# KiCad board jetson-nano-baseboard.kicad_pcb (continued)
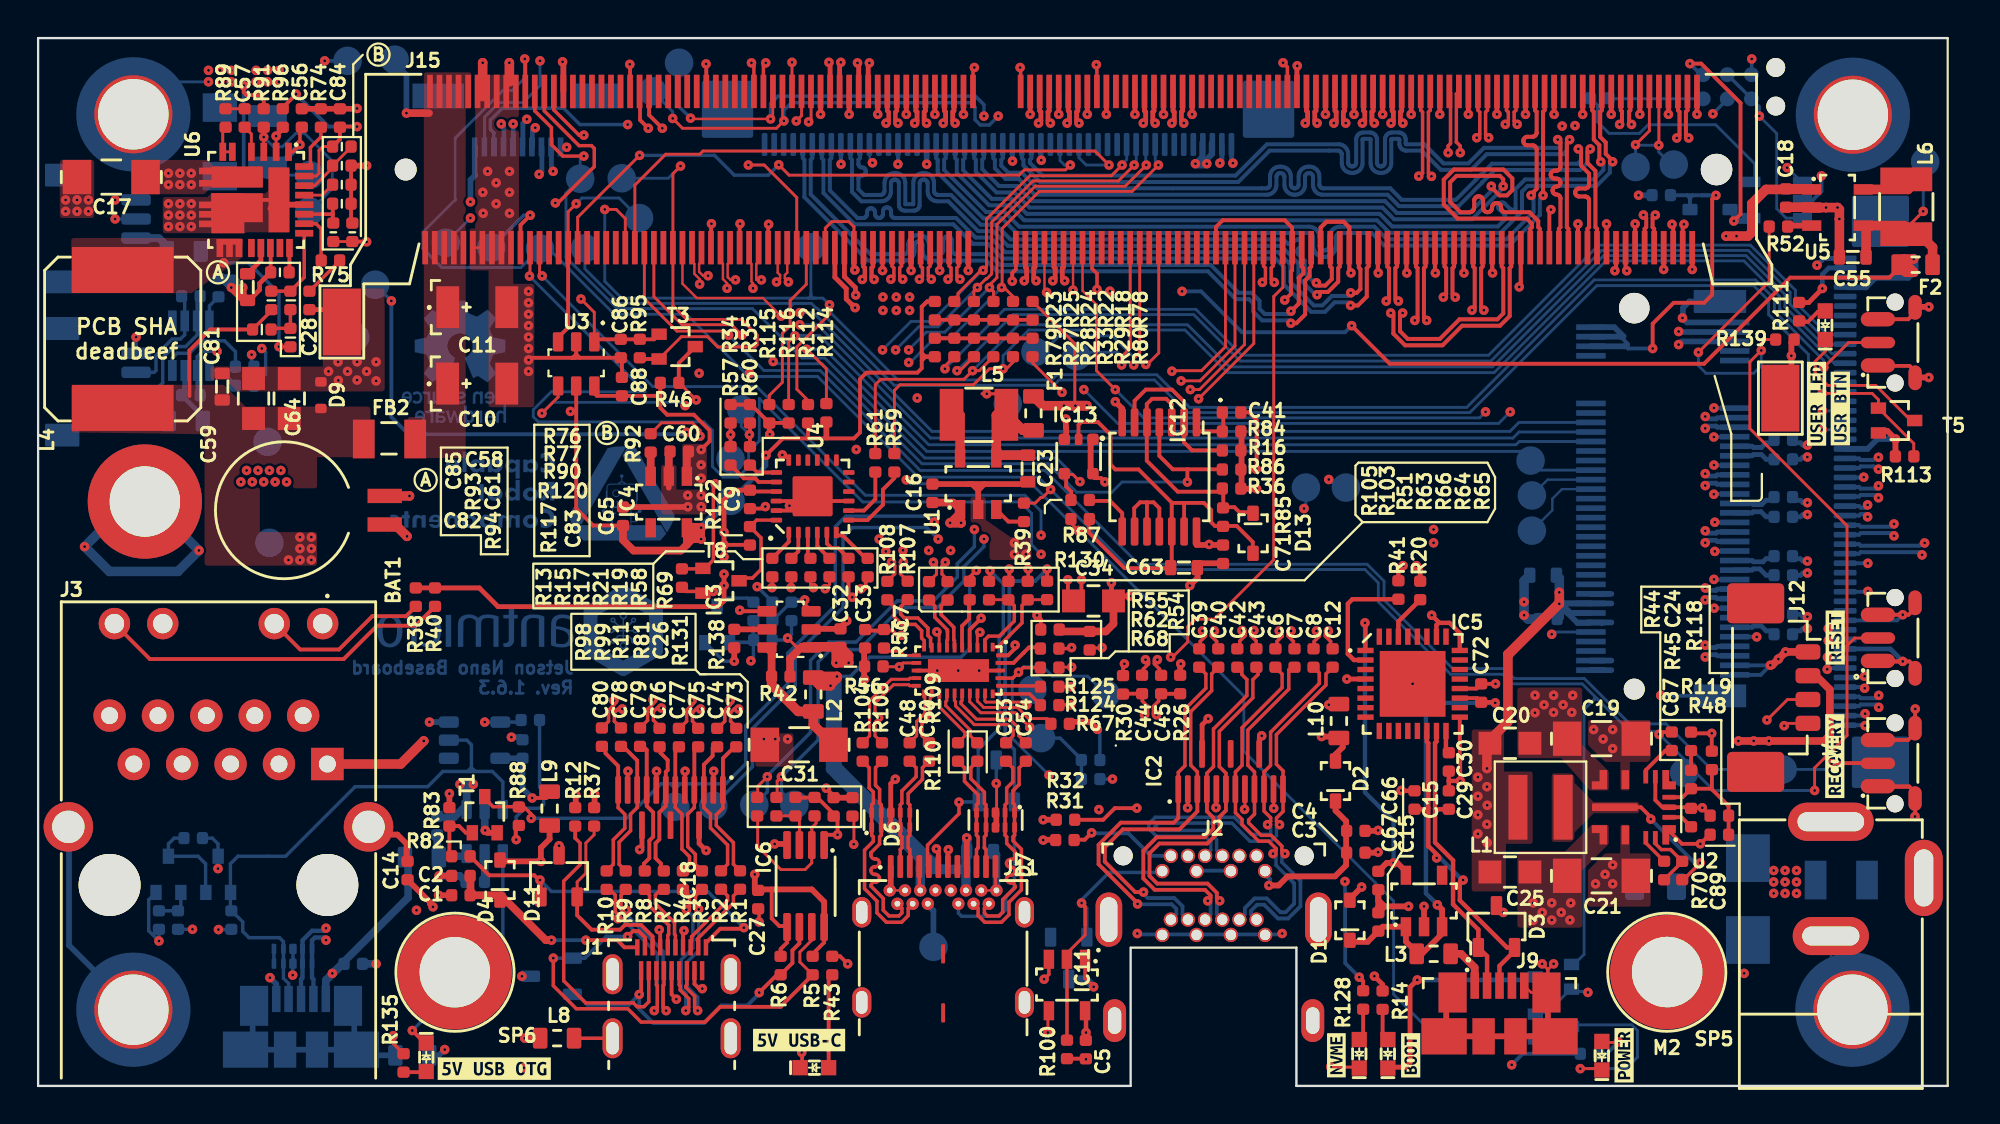
[diagram p0: board, top side]
## Routing (per net, layer and track width the routed paths; a pad name or vN(x,y) marks a point on that pad's centre or on a via; arc(x,y) is an arc through that point) (continued)
TMDS_HPD: length 66
  Top w0.15: J15.96 63.32,38.91 60.96,36.55 v1(60.47,36.55)
  Top w0.18: v1(25.88,14.05) 25.88,14.27 25.49,14.66 23.88,14.66 23.44,15.1 T1.3
  In3_SIGNAL.Cu w0.15: v1(47.04,29.61) 47.59,29.06 48.39,29.06 49.34,28.11 49.84,28.11 50.14,28.41 50.14,31.11 52.17,33.13 57.74,33.13 60.44,35.83 60.44,36.52 v1(60.47,36.55)
  Bottom w0.18: 33.44,15.51 33.44,15.81 33.49,15.86 ; 33.44,15.51 33.44,15.61 ; 33.44,15.51 TP25.1 ; v1(47.04,29.61) 46.74,29.91 42.39,29.91 41.84,29.36 41.84,25.21 39.34,22.71 39.34,21.11 37.14,18.91 37.14,16.91 36.09,15.86 33.69,15.86 ; 33.69,15.86 33.49,15.86 ; 33.69,15.86 33.44,15.61 ; 33.44,15.61 33.19,15.86 ; v1(25.88,14.05) 30.88,14.05 32.69,15.86 33.19,15.86 ; 33.49,15.86 33.19,15.86
UART1_RX: length 74.9
  Top w0.15: J15.238 25.82,42.53 v1(25.79,42.51)
  Top w0.25: R20.1 72.54,27.11 v1(72.34,27.31)
  In5_3V3_SYS_SIGNAL.Cu w0.15: v1(52.64,27.91) 53.64,27.91 54.34,27.21 56.54,27.21 56.94,26.81 71.84,26.81 v1(72.34,27.31)
  Bottom w0.15: v1(52.64,27.91) 52.14,28.41 52.14,30.06 51.55,30.65 43.29,30.65 37.85,36.08 37.85,33.86 37.29,33.3 37.29,32.51 36.74,31.96 35.95,31.96 35.39,32.51 35.39,34.41 34.95,34.86 26.26,34.86 25.99,35.12 25.99,35.49 26.93,36.43 31.86,36.43 v1(25.79,42.51)
UART1_TX: length 54.8
  Top w0.15: v1(26.45,42.52) 26.32,42.65 J15.236
  Top w0.23: v1(71.64,27.31) 71.4,27.06 R41.1
  In5_3V3_SYS_SIGNAL.Cu w0.15: v1(71.64,27.31) 71.44,27.11 57.14,27.11 56.64,27.61 54.44,27.61 53.64,28.41 53.14,28.41 v1(52.64,28.91)
  Bottom w0.15: v1(52.64,28.91) 52.64,30.16 51.79,31.01 43.41,31.01 37.71,36.71 32.26,36.71 v1(26.45,42.52)
USB1_D_N: length 67.7
  Top w0.25: v1(58.63,50.54) 58.51,50.66 58.51,51.12 58.57,51.19 J15.115 ; 47.75,11.51 47.75,12.38 v1(47.77,12.4)
  In2_SINGAL.Cu w0.16: 47.1,10.26 47.36,10.52 47.36,10.89 44.13,14.12 44.13,25.9 40.8,29.24 40.8,49.76 41.6,50.57 41.6,51.37 42.29,52.06 57.86,52.06 58.46,51.46 58.46,50.71 v1(58.63,50.54)
  In3_SIGNAL.Cu w0.2: 47.1,10.26 47.1,10.97 47.77,11.64 47.77,12.39
USB1_D_P: length 66.9
  Top w0.25: v1(58.01,50.54) 58.13,50.66 58.13,51.12 58.07,51.19 J15.117 ; v1(47.15,12.44) 47.25,12.34 47.25,11.51
  In2_SINGAL.Cu w0.16: v1(58.01,50.54) 58.18,50.71 58.18,51.34 57.74,51.77 42.41,51.77 41.88,51.25 41.88,50.45 41.08,49.64 41.08,29.36 44.42,26.02 44.42,14.23 47.64,11.01 47.64,10.52 J11.B6
  In5_3V3_SYS_SIGNAL.Cu w0.175: v1(47.15,12.44) 47.15,11.83 47.9,11.07 J11.B6
USBSS_RX6_N: length 31.3
  Top w0.16: R108.1 44.97,26.88 44.97,27.31 v1(44.79,27.49)
  Top w0.23: J15.161 45.07,51.19 45,51.11 45,50.67 v1(45.13,50.54) ; 45.07,50.57 45.13,50.51
  In2_SINGAL.Cu w0.16: v1(45.13,50.54) 44.96,50.37 44.96,49.92 44.63,49.6 43.53,49.6 43.08,49.15 43.08,43.85 42.33,43.1 42.33,29.09 42.8,28.62 arc(42.94,28.56) 43.09,28.62 43.09,28.62 arc(43.23,28.68) 43.37,28.62 arc(43.43,28.48) 43.37,28.34 43.37,28.33 arc(43.31,28.19) 43.37,28.05 arc(43.51,27.99) 43.65,28.05 43.66,28.06 arc(43.8,28.12) 43.94,28.06 arc(44,27.92) 43.94,27.77 43.93,27.77 arc(43.88,27.63) 43.93,27.49 44.5,26.92 44.78,26.92 44.96,27.1 44.96,27.32 v1(44.79,27.49)
USBSS_RX6_P: length 31.3
  Top w0.16: v1(45.42,27.49) 45.25,27.33 45.25,26.88 R107.1
  Top w0.23: v1(44.51,50.54) 44.64,50.67 44.64,51.11 44.57,51.19 J15.163 ; 44.51,50.51 44.57,50.57
  In2_SINGAL.Cu w0.16: v1(45.42,27.49) 45.25,27.32 45.25,26.98 44.9,26.64 44.38,26.64 42.05,28.97 42.05,43.22 42.8,43.97 42.8,49.27 43.42,49.88 44.52,49.88 44.68,50.04 44.68,50.37 v1(44.51,50.54)
USBSS_TX6_N: length 22.2
  Top w0.16: v1(46.99,27.49) 47.15,27.33 47.15,26.86 R105.1
  Top w0.23: J15.166 43.82,43.01 43.75,42.94 43.75,42.47 v1(43.88,42.33)
  In2_SINGAL.Cu w0.16: v1(43.88,42.33) 43.71,42.16 43.71,31.26 44.62,30.35 arc(44.77,30.29) 44.92,30.35 arc(45.07,30.41) 45.23,30.35 45.24,30.33 arc(45.3,30.18) 45.24,30.03 arc(45.18,29.88) 45.24,29.73 45.25,29.71 arc(45.41,29.65) 45.56,29.71 arc(45.71,29.78) 45.86,29.71 45.88,29.7 arc(45.94,29.55) 45.88,29.39 arc(45.81,29.24) 45.88,29.09 46.28,28.69 46.28,26.91 46.44,26.75 46.94,26.75 47.16,26.97 47.16,27.32 v1(46.99,27.49)
USBSS_TX6_P: length 22.1
  Top w0.16: 47.83,26.48 47.44,26.86 47.44,27.31 v1(47.62,27.49)
  Top w0.23: v1(43.26,42.33) 43.39,42.47 43.39,42.94 43.32,43.01 J15.168
  In2_SINGAL.Cu w0.16: v1(43.26,42.33) 43.43,42.16 43.43,31.14 45.99,28.57 45.99,26.79 46.32,26.46 47.05,26.46 47.45,26.85 47.45,27.32 v1(47.62,27.49)
USR_BUTTON: length 91.3
  Top w0.15: v1(93.72,37.72) 95.02,39.02 96.27,39.02 ; J15.218 30.82,45.53 30.34,46.01 v1(29.74,46.01) ; 40.41,35.98 39.82,36.56 39.82,38.79 41.54,40.5 v1(41.54,41)
  Bottom w0.15: 40.56,41.47 40.56,41.59 ; 40.56,41.47 40.45,41.35 40.4,41.35 ; 40.56,41.47 40.68,41.35 40.8,41.35 ; 40.56,41.59 40.56,41.39 40.6,41.35 ; 40.56,41.59 40.56,44 ; 40.8,41.35 41.18,41.35 v1(41.54,41) 41.54,40.65 45.13,37.05 53.2,37.05 53.47,37.33 58.72,37.33 60.43,35.62 61.03,35.62 74.99,35.62 81.67,42.31 90.14,42.31 91.13,41.32 91.13,40.66 93.72,38.07 v1(93.72,37.72) ; 40.8,41.35 40.6,41.35 ; 40.6,41.35 40.4,41.35 ; 40.4,41.35 30.62,41.35 29.74,42.23 v1(29.74,46.01)
USR_LED: length 91.9
  Top w0.125: v1(38.99,40.41) 38.04,41.36 34.57,41.36 33.82,42.11 J15.206
  Top w0.15: v1(93.65,36.35) 96.26,36.35 96.59,36.02 T5.1 98.45,33.72 98.45,33.05
  Bottom w0.15: 40.31,41.08 39.66,41.08 v1(38.99,40.41) ; 40.31,41.08 40.59,41.08 40.83,40.83 40.88,40.83 44.93,36.78 53.31,36.78 53.59,37.05 58.59,37.05 60.3,35.34 75.14,35.34 81.81,42.01 90.04,42.01 90.83,41.22 90.83,40.49 92.92,38.4 92.92,37.08 v1(93.65,36.35) ; 40.31,41.08 30.51,41.08 28.7,42.88 TP35.1
VSYNC_CAM1_1: length 31.4
  Top w0.15: v1(54.18,48.34) 53.92,48.08 51.77,48.08 51.49,47.81 39.42,47.81 v1(38.87,48.35) ; J15.228 28.32,45.59 v1(31.57,48.84)
  Bottom w0.15: v1(54.18,48.34) 53.87,48.34 53.63,48.57 53.63,49.42
  Bottom w0.18: v1(31.57,48.84) 35.5,48.84 36.54,47.81 38.33,47.81 v1(38.87,48.35)
VSYNC_CAM1_2: length 31.7
  Top w0.15: v1(56.21,48.34) 55.47,49.07 34.9,49.07 34.73,48.91 32.94,48.91 31.32,47.28 J15.216
  Bottom w0.15: 54.63,49.42 54.63,48.72 54.63,48.72 55.01,48.34 v1(56.21,48.34)
VSYNC_CAM2_1: length 52.9
  Top w0.15: J15.114 58.82,38.48 58.19,37.85 58.16,37.87 v1(58.14,37.87)
  In2_SINGAL.Cu w0.125: 55.57,37.54 55.57,37.55 56.41,38.39 57.62,38.39 v1(58.14,37.87)
  In2_SINGAL.Cu w0.15: v1(93.65,34.44) 91.87,36.22 78.1,36.22 v1(77.26,35.38) ; v1(54.89,36.55) 54.89,36.86 55.57,37.54
  Bottom w0.15: v1(54.89,36.55) 56.66,34.77 76.65,34.77 v1(77.26,35.38) ; J7.19 94.84,34.44 v1(93.65,34.44)
VSYNC_CAM2_2: length 48.2
  Top w0.125: J15.130 54.82,41.74 55.55,41.01
  Top w0.15: v1(56.54,36.55) 55.55,37.54 55.55,41.01
  In2_SINGAL.Cu w0.15: v1(75.97,35.38) 77.14,36.55 92.53,36.55 v1(93.65,35.43)
  Bottom w0.15: J7.17 94.84,35.43 v1(93.65,35.43) ; v1(56.54,36.55) 56.54,36.55 58.02,35.07 75.65,35.07 v1(75.97,35.38)
~{OTG_USB_ID_DET}: length 52.2
  Top w0.18: v1(55.58,41.81) 55.58,42.64 55.32,42.9 J15.128
  In5_3V3_SYS_SIGNAL.Cu w0.125: v1(23.44,19.1) 26.73,19.1 33.14,25.51 33.14,36.31 33.64,36.81 39.74,36.81 43.2,40.27 54.2,40.27 55.58,41.64 v1(55.58,41.81)
  Bottom w0.18: v1(23.44,19.1) 23.44,19.1 U8.4 25.24,19.1 R133.2
~{OTG_USB_VBUS_DET}: length 85.5
  Top w0.18: v1(65.34,53.71) 65.57,53.48 65.57,52.2
  In2_SINGAL.Cu w0.125: v1(65.34,53.71) 65.04,53.71 60.14,48.81 60.14,46.37 56.25,42.48 v1(56.25,41.72)
  In5_3V3_SYS_SIGNAL.Cu w0.125: v1(9.44,11.41) 12.04,11.41 16.54,15.91 20.64,15.91 22.24,17.51 25.54,17.51 33.44,25.41 33.44,36.21 33.74,36.51 39.84,36.51 43.34,40.01 54.64,40.01 56.24,41.61 56.24,41.71
  Bottom w0.18: R129.1 9.14,13.01 9.44,12.71 v1(9.44,11.41)
Net-(BOOT1-Pad1): length 1.7
  Top w0.2: R14.2 70.57,2.71 70.84,2.43
Net-(C24-Pad2): length 1
  Top w0.2: 86.76,17.6 R45.1
Net-(C28-Pad1): length 2.3
  Top w0.18: 14.24,41.72 15.83,43.3 R75.2
Net-(C57-Pad1): length 1
  Top w0.15: C57.1 R89.1
Net-(F4-Pad2): length 2
  Bottom w0.4: 5.14,35.46 6.44,35.46 6.85,35.05 6.85,34.91
Net-(F5-Pad2): length 2.1
  Bottom w0.4: F5.2 6.75,44.1 6.34,44.51 J14.2
Net-(IC1-ILIM): length 1.4
  Bottom w0.4: R50.1 23.44,10.72 23.44,12.06
Net-(IC1-OUT): length 2.8
  Bottom w0.4: 22.49,12.06 20.92,12.06 20.87,12.01 20.94,12.08 20.94,13.12
Net-(IC3-ILIM): length 1.6
  Top w0.3: R138.1 38.12,23.97
Net-(IC3-OUT): length 7.1
  Top w0.4: 38.2,23.05 38.5,22.75 R42.2
  Top w0.5: C31.1 40.69,18.96 L2.1 39.89,19.66 38.5,21.05 R42.2
Net-(IC3-~{EN}): length 6.4
  Top w0.18: v1(40.24,25.51) 40.24,25.29 40.58,24.95
  Bottom w0.18: 35.64,25.19 36.06,25.61 37.24,25.61 37.46,25.39 R49.2 37.57,25.39 R137.1 39.63,25.51 v1(40.24,25.51)
Net-(IC3-~{FAULT}): length 27.8
  Top w0.2: 40.1,0.91 40.1,1.59 40.08,1.62 v1(40.08,1.75) ; 38.12,24.92 36.88,24.92 v1(36.83,24.97)
  In2_SINGAL.Cu w0.2: v1(36.83,24.97) 36.83,24.42 38.78,22.46 38.78,20.12 37.44,18.78 37.44,12.57 40.08,9.93 v1(40.08,1.75)
Net-(IC4-EN): length 1.3
  Top w0.406: R92.2 32.15,32
Net-(IC5-3V3OUT): length 1.2
  Top w0.23: 73.89,18.63 73.89,17.64 C30.1
Net-(IC5-RXD): length 6.4
  Top w0.23: 69.67,22.36 69.06,22.36 68.74,22.68 68.74,25.31 68.98,25.55 R41.2
Net-(IC5-TXD): length 2.4
  Top w0.23: IC5.30 71.39,24.37 R20.2
Net-(IC6-SCLA): length 7.7
  Top w0.15: 37.77,14.18 37.77,12.57 38.99,11.35 40.26,11.35 40.61,11.7 40.61,12.64 40.61,12.65 40.61,13.56 40.83,13.79 40.83,14.18
Net-(IC6-SDAA): length 2.6
  Top w0.15: IC6.3 39.96,14.03 39.81,14.18 38.79,14.18
Net-(IC7-CURRENT_MODE): length 8.3
  Top w0.15: 55.27,22.98 55.82,22.98 v1(55.84,23.01) ; v1(49.43,23.81) 49.29,23.68 49.29,23
  In2_SINGAL.Cu w0.18: v1(55.84,23.01) 54.92,23.93 49.54,23.93 v1(49.43,23.81) 49.44,23.81
Net-(IC7-DIR): length 1.7
  Top w0.15: 46.09,22.6 45.45,22.6 45.23,22.82 44.56,22.82 44.47,22.9
Net-(IC7-ENn_CC): length 2.4
  Top w0.2: IC7.29 51.19,22.2 51.73,22.74 51.73,22.74 52.01,23.02 52.61,23.02
Net-(IC7-PORT): length 5.7
  Top w0.2: v1(52.43,24.7) 52.63,24.5 52.63,23.81 ; v1(49.5,24.55) 48.89,23.95 48.89,23
  In2_SINGAL.Cu w0.2: 52.36,24.63 v1(52.43,24.7) ; 52.34,24.62 49.56,24.62 v1(49.5,24.55)
Net-(IC7-VBUS_DET): length 2.7
  Top w0.2: 48.49,23 48.49,24.14 48.86,24.5 48.86,25.48 48.89,25.52
Net-(IC12-1B): length 8.6
  Top w0.2: IC12.6 57.55,35.96 58.14,36.55 59.51,36.55 60.15,35.91 IC12.2 60.15,33.78 60.56,33.36 62.2,33.36
Net-(IC12-3A): length 5.5
  Top w0.2: 58.85,29.13 58.85,30.33 58.54,30.63 58.19,30.63 ; 57.55,29.13 57.53,29.15 57.53,30.33 57.83,30.63 58.19,30.63 ; 58.2,29.13 58.2,30.62 58.19,30.63
Net-(IC12-~{3Y}): length 2.9
  Top w0.2: 56.9,29.13 56.9,30.07 56.26,30.71 55.16,30.71
Net-(J1-+5V): length 10.9
  Top w0.2: J1.19 30.77,7.28 30.4,7.65 v1(28.75,7.65)
  Top w0.4: 22.69,10.01 22.69,11.02 ; v1(26.94,7.65) 26.64,7.65 24.29,10.01 22.68,10.01
  Bottom w0.2: v1(28.75,7.65) v1(26.94,7.65)
Net-(J1-GND): length 16
  Top w0.15: 28.19,13 28.19,13.64
  Top w0.18: 28.19,13 28.45,12.75 28.45,11.61 27.59,10.75 27.59,5.51 28.74,4.36 31.24,4.36 31.44,4.16 31.79,4.16 32.05,4.41 32.05,6.05
  Top w0.2: 28.19,13 R12.1
Net-(J2-DP_PWR): length 9
  Top w0.3: v1(64.6,10.52) 65.11,10.52 65.58,11 68.07,11 68.65,11.58 68.65,13.89 68.09,14.45 68.09,14.95
  Bottom w0.22: v1(64.6,10.52) 64.65,10.58 64.65,10.84 64.4,11.09 64.4,11.3
Net-(J3-Pad12): length 8.9
  Top w0.2: J3.12 13.76,22.91 15.79,22.91 17.54,24.66 19.31,24.66 R38.2
Net-(J3-Pad14): length 18.7
  Top w0.2: J3.14 5.87,22.41 16.04,22.41 17.79,24.16 19.82,24.16 R40.2
Net-(J5-SHIELD): length 13.4
  Bottom w0.3: 16.71,1.9 10.89,1.9 11.26,2.27 11.26,4.2 ; 16.71,1.9 16.59,2.02 16.59,4.2 ; 16.71,1.9 17.01,1.61 18.83,1.61 ; 16.71,1.9 17.09,1.52
Net-(J8-LED): length 35.8
  Top w0.15: v1(67.84,1.01) 67.86,0.99 68.94,0.99
  In3_SIGNAL.Cu w0.15: v1(79.44,23.71) 71.34,23.71 69.74,22.11 69.74,11.51 70.19,11.06 70.19,9.26 68.04,7.11 68.04,1.21 v1(67.84,1.01)
  Bottom w0.15: v1(79.44,23.71) 79.56,23.82 81.5,23.82
Net-(J8-SMB_CLK): length 4.4
  Bottom w0.125: 81.5,31.32 79.98,31.32 79.48,30.82 79.48,30.22 TP20.1
Net-(J8-SMB_DATA): length 3.4
  Bottom w0.125: TP7.1 79.23,31.82 81.5,31.82
Net-(J11-SBU2): length 2.3
  Bottom w0.3: 46.69,9.5 46.99,9.2 TP19.1
Net-(LED1-Pad1): length 5
  Top w0.2: R43.2 41.49,5.64 LED1.1
Net-(LED2-Pad1): length 1.2
  Top w0.2: R135.2 20.34,0.72
Net-(M1B-(CSI1_CLK)RSVD-Pad11): length 9.8
  Top w0.15: 84.57,52.2 84.57,50.13 v1(83.84,49.4) ; v1(85.06,49.38) 85.07,49.38 85.07,52.2
  Bottom w0.15: TP4.1 v1(83.84,49.4) 83.87,49.38 v1(85.06,49.38) 85.06,49.02 85.85,48.24
Net-(M1B-CAM1_PWDN): length 9.3
  Top w0.15: v1(56.87,37.85) 56.87,38.28 57.32,38.73 J15.120
  Bottom w0.15: TP6.1 54.71,38.51 56.64,38.51 56.87,38.28 v1(56.87,37.85)
Net-(M1B-GPIO01): length 12.6
  Top w0.15: v1(57.5,37.85) 57.5,38.18 57.82,38.49 J15.118
  Bottom w0.15: v1(57.5,37.85) 57.5,38.25 56.39,39.37 53.59,39.37 52.53,38.3
Net-(NVME1-Pad1): length 1.7
  Top w0.2: R128.2 69.55,2.64 69.34,2.43
Net-(PWR1-Pad1): length 2.2
  Top w0.15: 82.07,2.28 82.92,2.28 v1(82.94,2.31)
  Bottom w0.2: R97.2 82.32,1.69 v1(82.94,2.31)
Net-(R18-Pad1): length 5.1
  Top w0.2: 52.19,40.21 47.06,40.21
Net-(R27-Pad1): length 5.1
  Top w0.2: 52.19,39.24 47.06,39.24
Net-(R111-Pad2): length 1.6
  Top w0.2: 92.43,40.16 92.48,40.11 92.89,40.11 93.41,40.63 93.8,40.63
Net-(R132-Pad1): length 5
  Bottom w0.15: 82.45,51.84 82.47,51.82 87.38,51.82 87.39,51.81
Net-(T1-G): length 3
  Top w0.15: R83.1 21.59,13.64
  Top w0.2: R83.1 21.59,12.18 R82.1 ; 21.59,13.64 22.1,13.64 22.45,13.29 T1.1
Net-(T2-D): length 11.5
  Top w0.25: 71.18,0.99 71.77,0.99 72.01,1.22 72.01,5.18 v1(72.39,5.56)
  Bottom w0.25: v1(72.39,5.56) 78.43,5.56
Net-(T4-D): length 9.4
  Top w0.15: 82.07,0.88 82.05,0.91 v1(80.94,0.91)
  Top w0.25: 82.04,0.91 82.07,0.88
  Bottom w0.15: 80.49,3.21 83.64,3.21 83.94,2.91 83.94,1.51 83.34,0.91 v1(80.94,0.91)
Net-(T5-D): length 8.3
  Top w0.15: 98.58,35.03 98.19,35.03 96.45,36.77 93.93,36.77 93.27,37.43 93.27,38.02 93.8,38.56 93.8,39.23
Net-(T6-D): length 5.2
  Bottom w0.18: R129.2 7.14,13.01 6.84,12.71 T6.3 8.39,12.06 8.79,11.66 8.79,10.16
Net-(T6-G): length 2
  Bottom w0.18: R73.1 R72.1 7.49,9.34 T6.1
Net-(T8-D): length 5.4
  Top w0.18: 38.6,29.7 37.71,29.7 37.36,29.35 37.94,28.77 37.94,27.11 37.49,26.66 36.64,26.66
Net-(U1-EN): length 1.7
  Top w0.2: R39.2 50.93,29.62 50.29,30.26
Net-(U1-FB): length 9.7
  Top w0.15: 50.59,35.51 50.59,35.96 50.22,36.33 49.54,36.33
  Top w0.5: F1.1 51.68,34.42 50.59,35.51 50.29,35.21 50.29,32.96 50.44,33.11 C23.1
  Bottom w0.15: TP5.1 50.37,36.33 49.54,36.33
  vias: v1(49.79,36.33)
Net-(U1-SW): length 2.7
  Top w0.5: 48.39,32.96 48.39,35.21 48.09,35.51
Net-(U2-RBOOT): length 1.6
  Top w0.18: 84.38,13.03 84.38,12.75 R70.1
Net-(U4-SC0): length 1.4
  Top w0.2: 39.9,28.9 39.9,28.06 R15.1
Net-(U4-SC1): length 1.5
  Top w0.2: R21.1 40.9,28.33 40.9,28.9
Net-(U4-SC2): length 2
  Top w0.2: 43.44,27.69 42.23,28.9 41.9,28.9
Net-(U4-SC3): length 2.9
  Top w0.2: 42.7,30.2 43.35,30.2 43.94,30.79 R61.1
Net-(U4-SCL): length 1.4
  Top w0.2: 38.6,32.2 37.75,32.2 R60.2
Net-(U4-SD0): length 1.6
  Top w0.2: R13.1 39.4,28.56 39.4,28.9
Net-(U4-SD1): length 1.3
  Top w0.2: R17.1 40.4,27.83 40.4,28.9
Net-(U4-SD2): length 1.9
  Top w0.2: 41.4,28.9 41.4,28.47 41.64,28.23 42,28.23 R19.1
Net-(U4-SD3): length 3.9
  Top w0.2: R59.1 44.94,31.91 44.34,31.31 44.34,30.51 43.54,29.7 42.7,29.7
Net-(U4-SDA): length 2.6
  Top w0.2: 38.6,31.7 37.82,31.7 37.63,31.89 37.04,31.89 R57.2
Net-(U5-EN): length 1.3
  Top w0.3: 91.83,45.11 91.88,45.16 93.09,45.16
Net-(U5-FB): length 10.8
  Top w0.15: 98.34,44.76 98.34,45.31 v1(98.94,45.91)
  Top w0.5: C55.1 95.94,45.01 95.79,45.16 97.94,45.16 98.34,44.76 98.69,44.76 99.43,44.02 F2.1
  Bottom w0.15: TP8.1 98.94,48.41 v1(98.94,45.91)
Net-(U5-SW): length 2.6
  Top w0.5: 95.79,47.06 98.14,47.06 98.34,47.26
Net-(U6-V_{SNS}): length 4.3
  Top w0.18: 13.97,44.76 13.97,42.44 13.24,41.72 R93.1
Net-(U7-RH): length 1.5
  Bottom w0.18: U7.8 8.99,40.94 R121.1
Net-(U7-RXD): length 5.4
  Bottom w0.18: 7.04,37.55 7.04,38.21 7.29,38.46 7.94,38.46 8.59,39.11 9.79,39.11 10.36,38.54 R101.2
Net-(U7-TXD): length 1.7
  Bottom w0.18: 8.99,37.55 9.59,37.55 10.36,36.79 R71.2
unconnected-(D8-Pad5): length 0.8
  Bottom w0.18: 12.38,7.19 12.38,6.42

## Copper pours and planes (outline as drawn; the poured copper is in the pictures)
3V3_SYS on Top: 76.94,16.51 78.44,16.51 78.44,12.71 77.04,12.71 77.04,10.21 75.24,10.21 75.24,18.71 76.94,18.71
3V3_SYS on Bottom: 84.5,38.78 84.5,21.61 82.44,21.61 82.5,39.98 83,39.98
3V3_SYS on Bottom: 77.04,12.36 75.24,12.36 75.24,18.26 77.04,18.26
3V3_SYS on Bottom: 14.74,36.31 18.14,36.31 18.14,28.41 35.14,28.41 35.14,29.41 36.34,29.41 36.34,25.91 33.54,25.91 32.84,26.61 14.94,26.61 14.94,29.91 14.14,30.71 14.14,35.11 10.14,35.11 9.34,34.31 8.14,34.31 8.14,35.51 9.14,35.51 9.74,36.11 12.64,36.11 12.64,43.01 8.14,43.01 8.14,44.51 14.74,44.51
3V3_SYS on In5_3V3_SYS_SIGNAL.Cu: 76.74,12.31 76.74,20.01 73.54,23.21 59.24,23.21 56.84,25.6 41.7,25.6 39.34,27.94 39.34,34.24 38.8,34.78 35.64,34.78 35.34,34.51 35.34,24.01 38.79,20.56 38.81,13.78 39.79,12.78 42.06,12.78 43.1,13.79 43.1,14.86 45.11,16.87 69.94,16.91 74.54,12.31
5V0_SYS on Top: 10.89,35.66 17.44,35.66 17.44,33.01 14.64,33.01 14.64,27.31 8.74,27.31 8.74,34.21 1.74,34.31 1.74,36.81 9.74,36.81
5V0_SYS on Top: 35.1,31.5 33.8,31.5 33.8,33.7 35.1,33.7
5V0_SYS on Bottom: 10.95,27.27 14.64,27.27 14.64,29.73 10.95,29.73
5V0_SYS on In1_5V0_SYS_VIN.Cu: 63.46,50.4 88.84,50.31 88.84,46.21 90.67,44.41 90.67,43.59 90.68,43.55 90.69,43.51 90.72,43.48 90.75,43.46 90.79,43.44 90.83,43.44 93.89,43.44 94.03,43.3 94.03,41.62 93.89,41.48 90.83,41.48 90.79,41.47 90.75,41.46 90.72,41.43 90.69,41.4 90.68,41.36 90.67,41.33 90.68,41.31 90.68,19.84 90.68,19.8 90.7,19.76 90.72,19.73 91.29,19.17 91.29,17.57 89.09,15.38 89.07,15.35 89.05,15.31 89.05,15.27 89.05,0.51 66.66,0.51 66.66,7.4 66.65,7.49 66.62,7.59 66.57,7.68 66.51,7.76 66.43,7.82 66.34,7.87 66.25,7.9 66.15,7.91 64.79,7.91 64.79,7.9 58.59,7.9 58.59,7.91 57.26,7.91 57.16,7.9 57.06,7.87 56.97,7.82 56.9,7.76 56.83,7.68 56.79,7.59 56.76,7.49 56.75,7.4 56.75,0.51 0.51,0.51 0.51,45.91 8.54,45.91 8.54,31.11 14.94,31.11 14.94,50.4
/Supply/3V3_SW on Top: 80.64,15.91 81.64,14.91 84.04,14.91 84.04,14.31 81.64,14.31 80.64,13.31 80.64,12.81 79.44,12.81 79.44,16.41 80.64,16.41
/Supply/3V3_VIN on Top: 81.34,11.31 82.24,12.21 83.04,12.21 83.04,13.71 83.54,13.71 83.54,12.21 84.64,12.21 84.64,9.41 81.34,9.41
/Supply/3V3_VIN on Top: 84.64,17.01 83.54,17.01 83.54,15.51 83.04,15.51 83.04,17.01 82.24,17.01 81.34,17.91 81.34,19.21 84.64,19.21
/Supply/3V3_VIN on Bottom: 84.64,9.41 81.39,9.41 81.39,12.21 84.64,12.21
/Supply/3V3_VIN on In5_3V3_SYS_SIGNAL.Cu: 83.04,10.31 81.34,10.31 81.34,19.01 83.04,19.01
/Supply/5V_SW on Top: 10.74,43.51 8.04,41.61 1.74,41.61 1.74,44.51 10.74,44.51
/Supply/5V_VIN on Top: 9.24,48.26 11.79,48.26 11.79,47.16 9.07,47.16 8.72,46.81 4.89,46.81 4.89,48.61 8.89,48.61
/Supply/5V_VIN on Bottom: 12.94,47.01 6.54,47.01 6.54,48.26 6.94,48.51 12.94,48.51
GND on Top: 2.94,48.61 1.14,48.61 1.14,45.56 2.94,45.56
GND on Top: 13.19,44.81 10.94,44.81 10.89,44.76 6.54,44.76 6.54,46.66 8.89,46.66 9.09,46.86 11.94,46.86 12.09,47.01 12.09,48.21 13.19,48.21
GND on Top: 18.19,36.46 10.44,36.46 9.84,37.06 9.04,37.06 9.04,37.76 14.94,37.76 14.94,41.86 18.19,41.86
GND on Top: 49.74,29.71 51.04,28.81 52.14,28.81 52.14,27.61 49.94,27.61 49.94,28.51 48.94,29.41 48.94,30.91 49.74,30.91
GND on Top: 80.14,12.31 81.54,13.71 82.44,13.71 82.44,12.71 81.04,11.31 81.04,8.31 77.64,8.31 77.64,12.31
GND on Top: 81.04,17.91 82.44,16.51 82.44,15.51 81.44,15.51 79.94,17.21 77.64,17.21 77.64,20.91 81.04,20.91
GND on Top: 33.5,31.3 35.1,31.3 35.1,30 32.7,30 32.7,32.6 33.5,32.6
GND on Top: 25.23,53.08 22.94,53.08 22.94,45.01 22.64,45.01 22.64,42.81 23.64,42.81 23.64,35.63 26.04,35.63 26.04,42.11 24.94,42.11 24.94,45.21 25.24,45.51
GND on Top: 39.64,16.76 37.64,16.76 37.64,18.51 39.64,18.51
GND on Bottom: 10.44,50.61 8.64,50.61 8.64,53.66 10.44,53.66
GND on Bottom: 6.14,33.51 0.34,33.51 0.34,48.51 6.14,48.51
GND on Bottom: 80.84,17.71 77.79,17.71 77.79,20.81 80.84,20.81
GND on Bottom: 100.24,5.91 88.44,5.91 88.44,9.21 97.74,9.21 97.74,13.21 100.24,13.21
GND on Bottom: 18.19,36.46 14.94,36.46 14.94,40.31 18.19,40.31
GND on In3_SIGNAL.Cu: 59.04,48.11 40.34,48.11 40.34,52.31 59.04,52.31
GND on In3_SIGNAL.Cu: 46.14,29.91 47.54,28.51 49.34,28.51 49.34,10.11 46.34,10.11 42.44,14.01 42.44,24.81 38.74,28.51 38.74,40.61 39.74,41.61 39.74,44.01 39.94,44.21 46.14,44.21
GND on In4_GND.Cu: 100.22,0.51 66.66,0.51 66.66,7.4 66.65,7.49 66.62,7.59 66.57,7.68 66.51,7.76 66.43,7.82 66.34,7.87 66.25,7.9 66.15,7.91 64.79,7.91 64.79,8.5 58.59,8.5 58.59,7.91 57.26,7.91 57.16,7.9 57.06,7.87 56.97,7.82 56.9,7.76 56.83,7.68 56.79,7.59 56.76,7.49 56.75,7.4 56.75,0.51 39.02,0.51 39.02,7.75 39.01,7.85 39,8.6 38.8,8.8 38.75,8.8 28.05,8.75 28.02,10.9 28.01,10.95 27.98,10.99 27.94,11.02 27.89,11.03 25.99,11.03 25.94,11.02 25.9,10.99 25.88,10.95 25.87,10.9 25.87,0.51 18.78,0.51 19.4,1.13 19.42,1.16 19.43,1.2 19.43,25.03 19.44,25.05 19.45,25.1 19.44,25.15 19.42,25.19 19.37,25.22 19.33,25.23 0.51,25.23 0.51,54.49 100.22,54.49
GND on In6_GND.Cu: 100.24,0.51 66.68,0.51 66.68,7.4 66.67,7.49 66.64,7.59 66.59,7.68 66.53,7.76 66.45,7.82 66.36,7.87 66.27,7.9 66.17,7.91 64.81,7.91 64.81,8.5 58.61,8.5 58.61,7.91 57.28,7.91 57.18,7.9 57.08,7.87 56.99,7.82 56.92,7.76 56.85,7.68 56.8,7.59 56.78,7.49 56.77,7.4 56.77,0.51 39.04,0.51 39.04,7.8 39.03,7.85 39,7.89 38.8,8.09 38.76,8.12 38.71,8.13 28.04,8.13 28.04,10.9 28.03,10.95 28,10.99 27.96,11.02 27.91,11.03 26.01,11.03 25.96,11.02 25.92,10.99 25.9,10.95 25.89,10.9 25.89,0.51 6.14,0.51 6.04,11.61 19.74,11.61 19.74,25.63 0.53,25.63 0.53,54.49 100.24,54.49
VDD_MOD on Top: 22.44,32.96 19.39,32.96 19.39,35.11 20.24,35.11 20.24,53.21 22.74,53.21 22.74,51.31 22.44,51.31
VIN on Bottom: 12.94,50.61 11.14,50.61 11.14,53.66 12.94,53.66
VIN on Bottom: 10.38,31.33 13.8,31.33 13.8,34.84 10.38,34.84
VIN on Bottom: 90.79,11.71 93.64,11.71 93.64,9.71 85.19,9.71 85.19,11.31 88.69,11.31 88.69,13.21 90.79,13.21
VIN on In1_5V0_SYS_VIN.Cu: 100.22,0.51 89.35,0.51 89.35,15.21 91.54,17.4 91.57,17.44 91.58,17.47 91.59,17.51 91.59,19.23 91.58,19.27 91.57,19.3 91.54,19.33 90.98,19.9 90.98,41.17 93.95,41.17 93.99,41.18 94.03,41.19 94.06,41.22 94.29,41.45 94.31,41.48 94.33,41.52 94.33,41.55 94.33,43.36 94.33,43.4 94.31,43.43 94.29,43.47 94.06,43.69 94.03,43.72 93.99,43.73 93.95,43.74 90.98,43.74 90.98,44.48 90.97,44.52 90.96,44.55 90.93,44.58 89.21,46.3 89.18,46.33 89.15,46.34 89.11,50.61 63.61,50.5 63.07,50.52 60.98,50.52 60.42,50.55 14.54,50.81 14.54,31.51 8.94,31.51 8.94,46.15 8.93,46.19 8.92,46.23 8.89,46.26 8.86,46.28 8.82,46.3 8.79,46.3 0.51,46.3 0.51,54.49 100.22,54.49
(no net) on In4_GND.Cu: 58.59,7 64.79,7 64.79,8.5 58.59,8.5
(no net) on In4_GND.Cu: 60.39,10.9 63.79,10.9 63.79,11.7 60.39,11.7
EGND on In4_GND.Cu: 19.22,1.24 18.49,0.51 0.51,0.51 0.51,24.97 19.22,24.97
EGND on In6_GND.Cu: 19.22,12.11 5.74,12.11 5.74,0.51 0.51,0.51 0.51,24.97 19.22,24.97
HDMI_SHIELD on In4_GND.Cu: 27.8,8.6 27.9,8.5 38.8,8.5 38.77,7.75 38.77,0.51 26.12,0.51 26.12,10.77 27.8,10.77
HDMI_SHIELD on In6_GND.Cu: 27.77,8 27.78,7.95 27.8,7.91 27.84,7.88 27.89,7.87 38.64,7.87 38.77,7.75 38.77,0.51 26.12,0.51 26.12,10.77 27.77,10.77
Net-(F3-Pad1) on Bottom: 96.94,9.76 94.29,9.76 94.29,12.36 91.69,12.36 91.69,15.01 96.94,15.01

## Text on the board
Bottom: Jetson Nano Baseboard / Rev. ${REVISION}
B.Mask: Jetson Nano Baseboard / Rev. 1.6.1
B.Silkscreen: 1
User.Drawings: Recommended PCB finish: | Gold plating (ENIG, selective) | Solder mask: matt black | Silkscreen: white | The design includes high speed signaling | Suggested prepreg material is ISOLA PR2116 | Layer | 1 | 2 | 3 | 4 | 5 | 6 | 7 | 8 | 9 | 10 | 11 | 12 | 13 | 14 | 15 | 16 | 17 | Name | Top Solder | Top Layer | Dielectric 1 | Signal 1 | Dielectric 2 | Signal 2 | Dielectric 3 | Signal 3 | Dielectric 4 | Signal 4 | Dielectric 5 | Signal 5 | Dielectric 6 | Signal 6 | Dielectric 7 | Bottom Layer | Bottom Solder | Material | Solder Resist | Copper | Prepreg | FR-4 | Thickness | 0.02  mm | 0.018 mm | 0.12  mm | 0.035 mm | 0.2   mm | 0.24  mm | Constant | 3.5 | 4.2 | Recommended PCB stackup
F.Silkscreen: A | B | PCB SHA / deadbeef
